# KiCad board travis_erg2026-v1.kicad_pcb (continued)
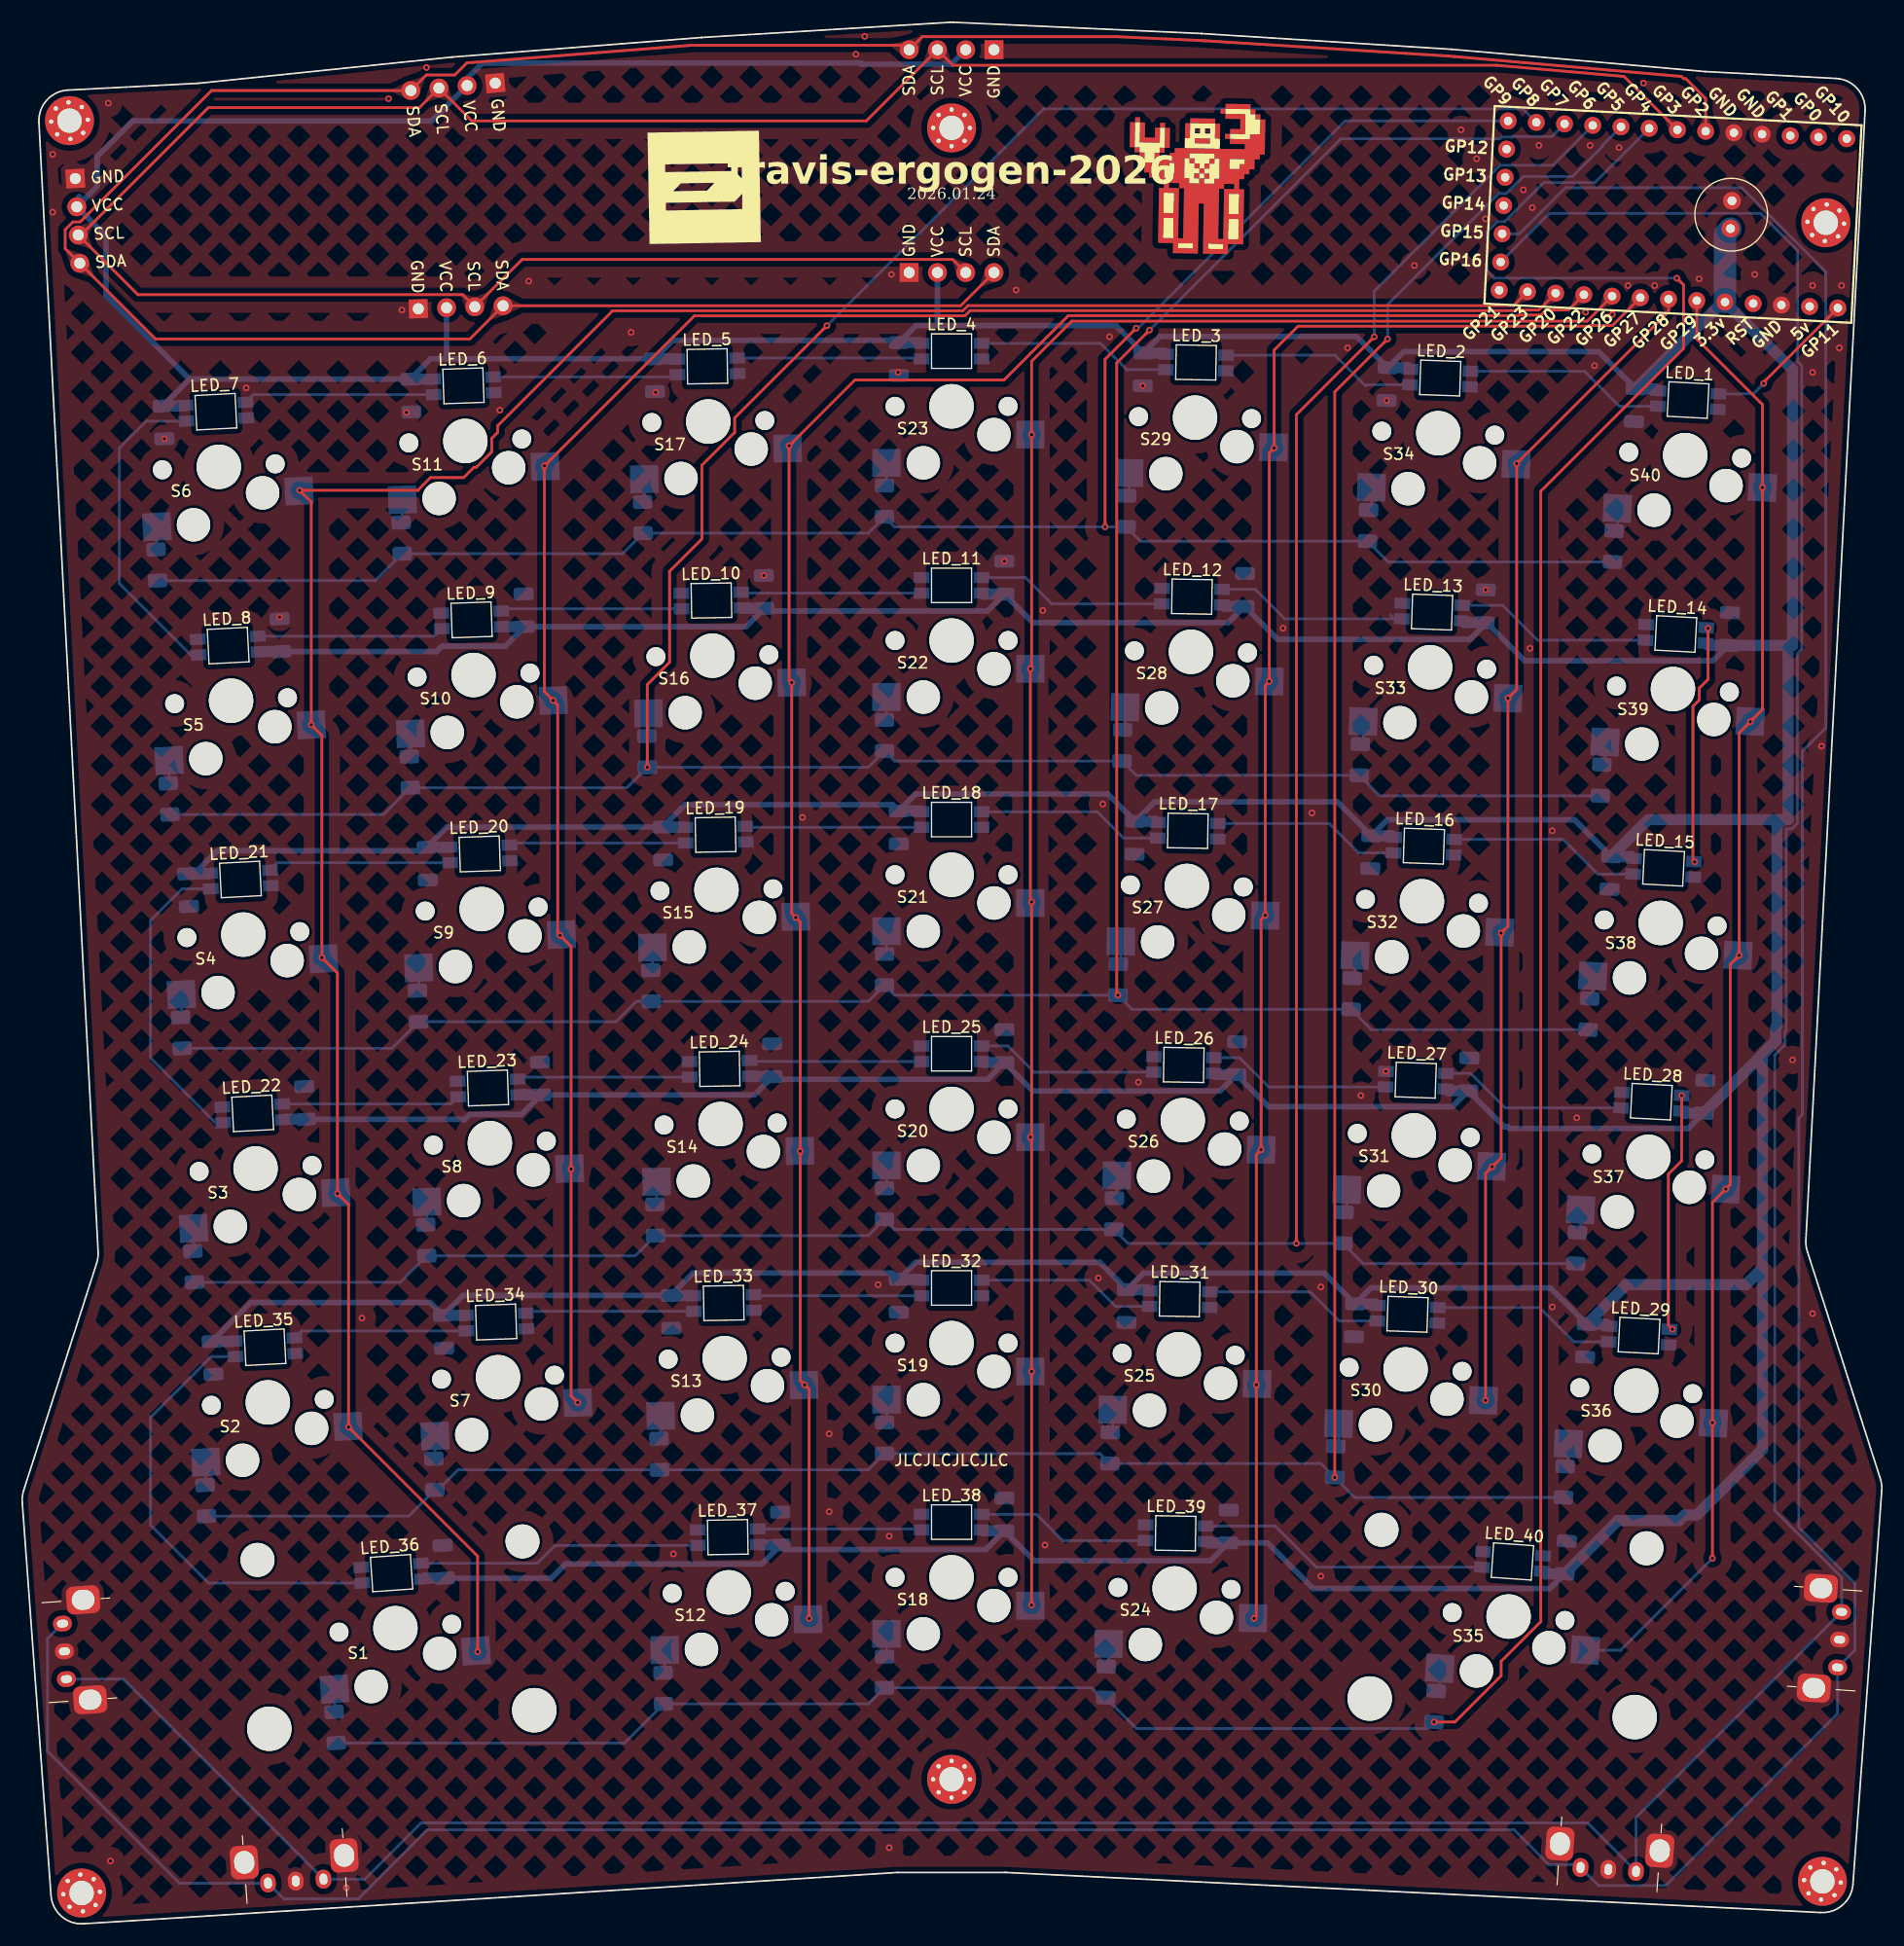
[diagram p0: board, top side]
## Placement (name value [footprint] x y rotation side) (continued)
S39  Kailh MX Switch Sockets  [MX]  148.38 110.98 177 top
S40  Kailh MX Switch Sockets  [MX]  149.48 132 177 top
STAB2u1  -  [Stabilizer_MX_2.00u]  33.54 26.56 4 top
STAB2u2  -  [Stabilizer_MX_2.00u]  133.61 27.61 356 top

## Footprints (pads in the part's own frame, mm; a bottom-side part is the same pattern mirrored in y, then rotated)
Alps-EC10E1220501
  rrect 2.5x3 hole 1.8x2.05: 4(-4.5,2) 4(4.5,2)
  oval 1.4x1.7 hole 0.7x1: A(-2.5,0) B(0,0) C(2.5,0)
C_1206_3216Metric
  rrect 1.15x1.8 smd: 1(-1.475,0) 2(1.475,0)
C_Radial_D6.3mm_H11.0mm_P2.50mm
  round 1.6 hole 0.8: 1(0,0) 2(2.5,0)
D_1206_3216Metric
  rrect 1.25x1.75 smd: 1(-1.4,0) 2(1.4,0)
I2C_Breakout
  rect 1.7x1.7 hole 1: 1(0,0)
  oval 1.7x1.7 hole 1: 2(0,-2.54) 3(0,-5.08) 4(0,-7.62)
led_SK6812mini-e (per-key, single-side)
  rect 1.4x1 smd: 1(2.7,0.7) 2(2.7,-0.7) 3(-2.7,-0.7) 4(-2.7,0.7)
MountingHole_2.2mm_M2_Pad_Via
  round 0.7 hole 0.4: 1(-1.65,0) 1(-1.167,1.167) 1(-1.167,-1.167) 1(0,1.65) 1(0,-1.65) 1(1.167,1.167) 1(1.167,-1.167) 1(1.65,0)
  round 4.4 hole 2.2: 1(0,0)
MountingHole_2.2mm_M2_Pad_Via#2
  round 0.7 hole 0.4: 4(-1.65,0) 4(-1.167,1.167) 4(-1.167,-1.167) 4(0,1.65) 4(0,-1.65) 4(1.167,1.167) 4(1.167,-1.167) 4(1.65,0)
  round 4.4 hole 2.2: 4(0,0)
MountingHole_2.2mm_M2_Pad_Via#3
  round 0.7 hole 0.4: 5(-1.65,0) 5(-1.167,1.167) 5(-1.167,-1.167) 5(0,1.65) 5(0,-1.65) 5(1.167,1.167) 5(1.167,-1.167) 5(1.65,0)
  round 4.4 hole 2.2: 5(0,0)
MountingHole_2.2mm_M2_Pad_Via#4
  round 0.7 hole 0.4: 3(-1.65,0) 3(-1.167,1.167) 3(-1.167,-1.167) 3(0,1.65) 3(0,-1.65) 3(1.167,1.167) 3(1.167,-1.167) 3(1.65,0)
  round 4.4 hole 2.2: 3(0,0)
MountingHole_2.2mm_M2_Pad_Via#5
  round 0.7 hole 0.4: 6(-1.65,0) 6(-1.167,1.167) 6(-1.167,-1.167) 6(0,1.65) 6(0,-1.65) 6(1.167,1.167) 6(1.167,-1.167) 6(1.65,0)
  round 4.4 hole 2.2: 6(0,0)
MountingHole_2.2mm_M2_Pad_Via#6
  round 0.7 hole 0.4: 2(-1.65,0) 2(-1.167,1.167) 2(-1.167,-1.167) 2(0,1.65) 2(0,-1.65) 2(1.167,1.167) 2(1.167,-1.167) 2(1.65,0)
  round 4.4 hole 2.2: 2(0,0)
MX
  round 1.702 hole 1.702 unplated: (-5.08,0) (5.08,0)
  round 3 hole 3 unplated: (-3.81,2.54) (2.54,5.08)
  round 3.988 hole 3.988 unplated: (0,0)
  rect 2.55x2.5 smd far side: 1(-7.085,2.54) 2(5.842,5.08)
RP2040_Pro_Micro
  round 1.524 hole 0.762: 1(-7.62,16.51) 2(-7.62,13.97) 3(-7.62,11.43) 4(-7.62,8.89) 5(-7.62,6.35) 6(-7.62,3.81) 7(-7.62,1.27) 8(-7.62,-1.27) 9(-7.62,-3.81) 10(-7.62,-6.35) 11(-7.62,-8.89) 12(-7.62,-11.43) 13(-7.62,-13.97) 14(-5.08,-13.97) 15(-2.54,-13.97) 16(0,-13.97) 17(2.54,-13.97) 18(5.08,-13.97) 19(7.62,-13.97) 20(7.62,-11.43) 21(7.62,-8.89) 22(7.62,-6.35) 23(7.62,-3.81) 24(7.62,-1.27) 25(7.62,1.27) 26(7.62,3.81) 27(7.62,6.35) 28(7.62,8.89) 29(7.62,11.43) 30(7.62,13.97) 31(7.62,16.51)
Stabilizer_MX_2.00u
  round 3.048 hole 3.048 unplated: (-11.938,6.985) (11.938,6.985)
  round 3.988 hole 3.988 unplated: (-11.938,-8.225) (11.938,-8.225)

## Nets
GND: C1.2 C2.2 C3.2 C4.2 C5.2 C6.2 C7.2 C8.2 C9.2 C10.2 C11.2 C12.2 C13.2 C14.2 C15.2 C16.2 C17.2 C18.2 C19.2 C20.2 C21.2 C22.2 C23.2 C24.2 C25.2 C26.2 C27.2 C28.2 C29.2 C30.2 C31.2 C32.2 C33.2 C34.2 C35.2 C36.2 C37.2 C38.2 C39.2 C40.2 C41.2 LED1.3 LED2.3 LED3.3 LED4.3 LED5.3 LED6.3 LED7.3 LED8.3 LED9.3 LED10.3 LED11.3 LED12.3 LED13.3 LED14.3 LED15.3 LED16.3 LED17.3 LED18.3 LED19.3 LED20.3 LED21.3 LED22.3 LED23.3 LED24.3 LED25.3 LED26.3 LED27.3 LED28.3 LED29.3 LED30.3 LED31.3 LED32.3 LED33.3 LED34.3 LED35.3 LED36.3 LED37.3 LED38.3 LED39.3 LED40.3 MCU1.4 MCU1.5 MCU1.29 OLED1.1 OLED2.1 OLED3.1 OLED4.1 OLED5.1 ROT1.4 ROT1.B ROT2.4 ROT2.B ROT3.4 ROT3.B ROT4.4 ROT4.B
VCC: C1.1 C2.1 C3.1 C4.1 C5.1 C6.1 C7.1 C8.1 C9.1 C10.1 C11.1 C12.1 C13.1 C14.1 C15.1 C16.1 C17.1 C18.1 C19.1 C20.1 C21.1 C22.1 C23.1 C24.1 C25.1 C26.1 C27.1 C28.1 C29.1 C30.1 C31.1 C32.1 C33.1 C34.1 C35.1 C36.1 C37.1 C38.1 C39.1 C40.1 C41.1 LED1.1 LED2.1 LED3.1 LED4.1 LED5.1 LED6.1 LED7.1 LED8.1 LED9.1 LED10.1 LED11.1 LED12.1 LED13.1 LED14.1 LED15.1 LED16.1 LED17.1 LED18.1 LED19.1 LED20.1 LED21.1 LED22.1 LED23.1 LED24.1 LED25.1 LED26.1 LED27.1 LED28.1 LED29.1 LED30.1 LED31.1 LED32.1 LED33.1 LED34.1 LED35.1 LED36.1 LED37.1 LED38.1 LED39.1 LED40.1 MCU1.27 OLED1.2 OLED2.2 OLED3.2 OLED4.2 OLED5.2
col0: MCU1.20 S1.1 S2.1 S3.1 S4.1 S5.1 S6.1
col1: MCU1.21 S7.1 S8.1 S9.1 S10.1 S11.1
col2: MCU1.22 S12.1 S13.1 S14.1 S15.1 S16.1 S17.1
col3: MCU1.23 S18.1 S19.1 S20.1 S21.1 S22.1 S23.1
col4: MCU1.24 S24.1 S25.1 S26.1 S27.1 S28.1 S29.1
col5: MCU1.25 S30.1 S31.1 S32.1 S33.1 S34.1
col6: MCU1.26 S35.1 S36.1 S37.1 S38.1 S39.1 S40.1
D2: MCU1.3
D3: MCU1.2
encA: MCU1.17 ROT1.A ROT2.A ROT3.A ROT4.A
encC: MCU1.18 ROT1.C ROT2.C ROT3.C ROT4.C
GP10: MCU1.1
GP12: MCU1.14
GP13: MCU1.15
GP14: MCU1.16
LED_1: LED21.4 MCU1.31
LED_2: LED18.4 LED21.2
LED_3: LED15.4 LED18.2
LED_4: LED12.4 LED15.2
LED_5: LED9.4 LED12.2
LED_6: LED6.4 LED9.2
LED_7: LED3.4 LED6.2
LED_8: LED3.2 LED24.4
LED_9: LED24.2 LED26.4
LED_10: LED26.2 LED29.4
LED_11: LED29.2 LED32.4
LED_12: LED32.2 LED35.4
LED_13: LED35.2 LED37.4
LED_14: LED37.2 LED40.4
LED_15: LED20.4 LED40.2
LED_16: LED17.4 LED20.2
LED_17: LED14.4 LED17.2
LED_18: LED11.4 LED14.2
LED_19: LED8.4 LED11.2
LED_20: LED5.4 LED8.2
LED_21: LED2.4 LED5.2
LED_22: LED2.2 LED23.4
LED_23: LED23.2 LED25.4
LED_24: LED25.2 LED28.4
LED_25: LED28.2 LED31.4
LED_26: LED31.2 LED34.4
LED_27: LED34.2 LED36.4
LED_28: LED36.2 LED39.4
LED_29: LED19.4 LED39.2
LED_30: LED16.4 LED19.2
LED_31: LED13.4 LED16.2
LED_32: LED10.4 LED13.2
LED_33: LED7.4 LED10.2
LED_34: LED4.4 LED7.2
LED_35: LED1.4 LED4.2
LED_36: LED1.2 LED22.4
LED_37: LED22.2 LED27.4
LED_38: LED27.2 LED30.4
LED_39: LED30.2 LED33.4
LED_40: LED33.2 LED38.4
matrix_col0_row0: D1.2 S1.2
matrix_col0_row1: D2.2 S2.2
matrix_col0_row2: D3.2 S3.2
matrix_col0_row3: D4.2 S4.2
matrix_col0_row4: D5.2 S5.2
matrix_col0_row5: D6.2 S6.2
matrix_col1_row1: D7.2 S7.2
matrix_col1_row2: D8.2 S8.2
matrix_col1_row3: D9.2 S9.2
matrix_col1_row4: D10.2 S10.2
matrix_col1_row5: D11.2 S11.2
matrix_col2_row0: D12.2 S12.2
matrix_col2_row1: D13.2 S13.2
matrix_col2_row2: D14.2 S14.2
matrix_col2_row3: D15.2 S15.2
matrix_col2_row4: D16.2 S16.2
matrix_col2_row5: D17.2 S17.2
matrix_col3_row0: D18.2 S18.2
matrix_col3_row1: D19.2 S19.2
matrix_col3_row2: D20.2 S20.2
matrix_col3_row3: D21.2 S21.2
matrix_col3_row4: D22.2 S22.2
matrix_col3_row5: D23.2 S23.2
matrix_col4_row0: D24.2 S24.2
matrix_col4_row1: D25.2 S25.2
matrix_col4_row2: D26.2 S26.2
matrix_col4_row3: D27.2 S27.2
matrix_col4_row4: D28.2 S28.2
matrix_col4_row5: D29.2 S29.2
matrix_col5_row1: D30.2 S30.2
matrix_col5_row2: D31.2 S31.2
matrix_col5_row3: D32.2 S32.2
matrix_col5_row4: D33.2 S33.2
matrix_col5_row5: D34.2 S34.2
matrix_col6_row0: D35.2 S35.2
matrix_col6_row1: D36.2 S36.2
matrix_col6_row2: D37.2 S37.2
matrix_col6_row3: D38.2 S38.2
matrix_col6_row4: D39.2 S39.2
matrix_col6_row5: D40.2 S40.2
RAW: MCU1.30
row0: D1.1 D12.1 D18.1 D24.1 D35.1 MCU1.8
row1: D2.1 D7.1 D13.1 D19.1 D25.1 D30.1 D36.1 MCU1.9
row2: D3.1 D8.1 D14.1 D20.1 D26.1 D31.1 D37.1 MCU1.10
row3: D4.1 D9.1 D15.1 D21.1 D27.1 D32.1 D38.1 MCU1.11
row4: D5.1 D10.1 D16.1 D22.1 D28.1 D33.1 D39.1 MCU1.12
row5: D6.1 D11.1 D17.1 D23.1 D29.1 D34.1 D40.1 MCU1.13
RST: MCU1.28
scl: MCU1.7 OLED1.3 OLED2.3 OLED3.3 OLED4.3 OLED5.3
sda: MCU1.6 OLED1.4 OLED2.4 OLED3.4 OLED4.4 OLED5.4

Pads without a net: HOLE1 1; HOLE2 2; HOLE3 3; HOLE4 4; HOLE5 5; HOLE6 6; LED38 2; MCU1 19

## Via types
v1: diameter 0.6, hole 0.3, Top to Bottom, 132 vias

## Routing (per net, layer and track width the routed paths; a pad name or vN(x,y) marks a point on that pad's centre or on a via; arc(x,y) is an arc through that point)
GND:
  vias: v1(2.73,159.04) v1(2.73,153.84) v1(7.73,163.64) v1(7.93,5.64) v1(12.78,133.47) v1(20.13,138.04) v1(23.13,117.44) v1(29.13,3.24) v1(30.53,54.44) v1(32.93,164.04) v1(34.13,145.04) v1(34.53,135.84) v1(36.33,166.84) v1(42.93,136.04) v1(45.53,147.64) v1(54.73,143.04) v1(56.93,137.64) v1(58.53,33.24) v1(66.66,121.18) v1(70.13,99.44) v1(72.53,44.04) v1(72.53,37.04) v1(74.93,168.04) v1(75.73,169.64) v1(76.93,57.44) v1(77.93,34.84) v1(77.93,6.84) v1(78.13,148.24) v1(78.73,139.44) v1(88.29,122.46) v1(89.33,146.84) v1(91.73,118.04) v1(91.93,34.04) v1(96.73,58.04) v1(97.13,100.64) v1(97.73,142.64) v1(100.33,75.64) v1(100.72,138.23) v1(113.33,116.44) v1(115.93,99.84) v1(116.73,57.24) v1(116.73,31.24) v1(119.13,141.64) v1(120.33,74.44) v1(122.64,136.91) v1(122.58,76.61) v1(125.13,149.04) v1(129.33,161.24) v1(130.73,158.64) v1(131.53,153.24) v1(131.55,119.89) v1(134.93,155.84) v1(135.53,114.64) v1(135.73,154.24) v1(136.33,159.84) v1(137.53,98.24) v1(137.53,55.44) v1(139.73,72.44) v1(140.53,144.84) v1(140.93,159.84) v1(141.33,140.04) v1(142.93,144.64) v1(143.53,159.64) v1(144.33,147.24) v1(145.73,165.44) v1(146.73,147.24) v1(150.73,147.84) v1(155.73,148.24) v1(159.13,77.64) v1(160.93,147.24) v1(160.93,139.44) v1(160.93,54.84) v1(161.73,105.84) v1(163.33,141.64) v1(163.53,147.24)
VCC: length 1183.6
  Bottom w0.5: 38.13,140.66 C10.1 58.48,142.32 78.58,142.32 C13.1 80.32,143.65 82.33,143.65 ; 38.13,140.66 36.72,140.66 C7.1 15.04,138.83 ; 38.13,140.66 38.14,140.67 OLED2.2 ; C23.1 47.55,31.06 48.83,32.34 66.48,32.34 C28.1 68.59,33.63 86.61,33.63 C31.1 90.97,32.63 106.81,32.63 C34.1 111.94,34.23 116.05,30.12 137.31,30.12 C39.1 ; C40.1 149.76,71.48 133.69,71.48 133.53,71.64 133.21,71.64 C37.1 128.55,73.45 112.02,73.45 C35.1 107.67,74.85 90.84,74.85 C32.1 86.77,75.9 67.69,75.9 C29.1 65.81,74.5 C26.1 44.88,72.75 40.24,72.75 39.73,72.24 39.67,72.3 C24.1 ; OLED4.2 82.27,143.72 82.33,143.65 ; 82.33,143.65 98.3,143.65 C16.1 102.26,142.67 119.93,142.67 C19.1 124.18,141.3 141.7,141.3 C22.1 ; OLED1.2 6.73,156.15 6.73,158.84 9.93,162.04 36.81,162.04 OLED3.2 39.99,165.86 41.37,167.24 75.33,167.24 ; OLED1.2 7.53,151.69 7.53,146.33 15.04,138.83 ; OLED1.2 4.25,154.32 5.13,155.21 5.13,155.24 ; C20.1 137.35,57.15 121.25,57.15 C17.1 117.03,58.48 100.79,58.48 C14.1 96.85,59.45 80.32,59.45 C11.1 78.21,58.49 60.3,58.49 C8.1 39.62,56.48 C5.1 36.66,55.84 20.53,55.84 17.03,52.34 ; 15.04,138.83 C4.1 ; 14.87,94.37 15.47,94.37 17.53,96.44 36.04,96.44 C6.1 38.17,98.57 C9.1 59.57,100.59 78.21,100.59 C12.1 80.32,101.55 97.57,101.55 C15.1 101.79,100.84 118.22,100.84 C18.1 122.71,99.23 139.53,99.23 C21.1 ; 75.33,167.24 75.44,167.24 ; 75.33,167.24 75.44,167.14 83.5,167.14 OLED5.2 ; C41.1 151.97,113.52 135.05,113.52 131.63,116.94 130.13,115.44 112.85,115.44 C36.1 108.41,116.95 90.85,116.95 C33.1 86.77,118 66.95,118 C30.1 65.06,116.57 C27.1 43.42,114.83 38.73,114.83 38.36,114.82 38.35,114.83 37.73,114.83 37.24,114.35 C25.1
  Bottom w1: 158.73,99.24 158.73,114.9 ; 158.73,99.24 146.15,99.24 C21.1 144.61,95.92 144.78,95.75 ; 158.73,99.24 158.23,99.24 157.73,98.74 157.73,80.64 157.63,80.54 157.63,79.34 ; 149.2,73.04 149.38,72.85 C40.1 157.63,79.34 ; C4.1 14.54,136.42 14.57,136.45 ; 106.46,34.35 106.58,34.23 C34.1 ; 36.83,138.83 36.83,138.83 C7.1 ; C35.1 107.31,76.32 107.19,76.44 ; 14.87,94.37 C3.1 16.74,94.37 16.78,94.41 ; 129.5,117.1 129.65,116.94 C38.1 131.63,116.94 ; 38.3,96.76 38.3,96.76 C6.1 ; 146.98,137.8 146.81,137.96 C22.1 152.83,145.76 MCU1.27 159.13,139.68 159.13,114.9 C41.1 151.59,114.9 151.4,115.08 ; 66.23,34.1 66.28,34.04 C28.1 ; C11.1 80.67,57.91 80.73,57.85 ; 102.72,141.08 102.62,141.18 C16.1 ; 39.77,54.68 39.77,54.68 C5.1 ; 60.24,56.44 60.21,56.48 C8.1 ; 101.25,56.89 101.15,56.99 C14.1 ; C23.1 36.09,31.06 36.04,31.01 ; C32.1 86.42,77.41 86.34,77.5 ; C15.1 101.89,99.08 101.99,98.99 ; C37.1 128.19,74.87 128.03,75.02 ; C33.1 86.42,119.51 86.34,119.6 ; C12.1 80.67,100.01 80.73,99.95 ; C13.1 80.67,142.11 80.73,142.05 ; 64.76,118.28 64.81,118.23 C30.1 ; C27.1 43.23,116.57 43.22,116.59 ; 23.55,72.29 23.56,72.3 C24.1 ; 136.7,31.67 136.92,31.45 C39.1 143.43,36.24 148.93,36.24 149.43,36.74 150.53,36.74 156.43,42.64 156.43,58.94 ; 123.22,97.65 123.08,97.79 C18.1 ; 156.43,58.94 154.93,57.44 144.13,57.44 144.13,57.38 C20.1 142.41,53.88 142.57,53.71 ; 156.43,58.94 156.43,64.54 156.43,64.54 156.43,78.14 157.63,79.34 ; C9.1 59.47,98.57 59.5,98.54 ; 65.5,76.19 65.55,76.14 C29.1 ; 21.34,114.33 21.36,114.35 C25.1 ; C31.1 86.42,35.31 86.34,35.4 ; 124.69,139.73 124.55,139.86 C19.1 ; 58.77,140.63 58.74,140.66 C10.1 ; C17.1 121.61,55.71 121.75,55.58 ; 18.98,52.37 18.94,52.33 C2.1 17.03,52.34 ; C36.1 108.05,118.42 107.93,118.53 ; C26.1 44.7,74.5 44.68,74.52
  Bottom w2: C1.1 153.06,151.87 MCU1.27
col0: length 230.6
  Top w0.25: MCU1.20 134.05,145.44 85.01,145.44 84.54,144.97 53.07,144.97 42.73,134.64 42.73,134.04 42.2,133.51 42.2,132.29 40.81,130.9 40.6,130.9 39.68,129.98 36.69,129.98 35.59,128.89 35.59,128.84 v1(24.93,128.84) 25.98,127.79 v1(25.98,107.76) 26.93,106.81 v1(26.93,86.84) 28.33,85.44 v1(28.33,65.64) 29.33,64.64 v1(29.33,44.64) 40.93,33.04 v1(40.93,24.44)
  Bottom w0.25: S4.1 27.03,86.74 v1(26.93,86.84) ; v1(24.93,128.84) 24.88,128.78 S6.1 ; S1.1 40.85,24.53 v1(40.93,24.44) ; v1(29.33,44.64) 29.28,44.69 S2.1 ; v1(28.33,65.64) 28.25,65.72 S3.1
col1: length 183.2
  Top w0.25: MCU1.21 136.32,145.04 134.29,145.04 134.24,144.99 85.2,144.99 84.73,144.52 60.42,144.52 v1(46.93,131.04) 46.93,110.75 v1(47.73,109.95) 48.13,109.55 48.13,89.04 v1(48.33,88.84) 49.33,87.84 v1(49.33,67.84) 49.33,47.44 v1(49.93,46.84)
  Bottom w0.25: v1(49.33,67.84) 49.3,67.87 S8.1 ; v1(46.93,131.04) 46.99,130.98 S11.1 ; S7.1 v1(49.93,46.84) ; v1(48.33,88.84) 48.4,88.91 S9.1
col2: length 183.8
  Top w0.25: MCU1.22 138.99,145.04 136.96,145.04 136.51,144.59 134.48,144.59 134.43,144.54 94.03,144.54 88.25,138.76 74.85,138.76 v1(68.93,132.84) 68.93,111.79 v1(69.16,111.56) 69.16,90.81 v1(69.53,90.44) 69.93,90.04 v1(69.93,69.44) 69.93,48.84 v1(70.33,48.44) 70.73,48.04 v1(70.73,27.44)
  Bottom w0.25: v1(68.93,132.84) 68.8,132.7 S17.1 ; S12.1 70.66,27.37 v1(70.73,27.44) ; v1(70.33,48.44) 70.31,48.42 S13.1 ; S15.1 v1(69.53,90.44) ; S14.1 69.91,69.46 v1(69.93,69.44)
col3: length 166.9
  Top w0.25: v1(90.73,28.64) v1(90.73,49.64) 90.73,70.58 v1(90.62,70.7) ; MCU1.23 140.66,144.04 94.33,144.04 90.73,140.44 v1(90.73,133.84) 90.73,112.91 v1(90.62,112.8) 90.62,91.95 v1(90.73,91.84) 90.73,70.84
  Bottom w0.25: v1(90.73,91.84) 90.64,91.75 S21.1 ; S23.1 90.73,133.85 v1(90.73,133.84) ; v1(90.73,28.64) 90.69,28.6 S18.1 ; S19.1 90.73,49.65 v1(90.73,49.64)
col4: length 150
  Top w0.25: MCU1.24 142.93,143.64 140.9,143.64 140.85,143.59 114.68,143.59 112.53,141.44 v1(112.53,132.64) 112.09,132.2 v1(112.09,111.66) 111.73,111.3 v1(111.73,90.64) 111.36,90.27 v1(111.36,69.57) 110.93,69.14 v1(110.93,48.44) 110.93,27.64 v1(110.73,27.44)
  Bottom w0.25: v1(112.53,132.64) 112.47,132.71 S29.1 ; v1(110.93,48.44) 110.99,48.5 S25.1 ; S24.1 110.7,27.47 v1(110.73,27.44) ; S27.1 111.73,90.63 v1(111.73,90.64)
col5: length 106.3
  Top w0.25: MCU1.25 147.98,144.89 v1(134.33,131.24) 134.33,110.94 v1(133.55,110.15) 133.55,89.65 v1(132.93,89.04) 132.93,68.84 v1(132.13,68.04) 131.53,67.44 v1(131.53,47.04)
  Bottom w0.25: S32.1 132.86,89.11 v1(132.93,89.04) ; v1(132.13,68.04) 132.1,68.08 S31.1 ; v1(131.53,47.04) 131.53,47.04 S30.1 ; S34.1 v1(134.33,131.24)
col6: length 132.5
  Top w0.25: v1(151.93,32.84) v1(151.93,45.04) 151.93,64.84 v1(153.13,66.04) 153.53,66.44 153.53,86.24 v1(154.33,87.04) 154.33,107.04 v1(155.33,108.04) 156.42,109.13 v1(156.42,129.09) 156.42,136.55 150.52,142.45 MCU1.26
  Bottom w0.25: v1(151.93,45.04) 151.97,45 S36.1 ; v1(154.33,87.04) 154.33,87.05 S38.1 ; v1(155.33,108.04) 155.32,108.05 S39.1 ; S35.1 143.68,24.58 v1(151.93,32.84) ; S37.1 v1(153.13,66.04)
encA: length 356.8
  Bottom w0.25: ROT1.A 2.27,25.63 2.27,15.51 14.13,3.64 22.07,3.64 ROT2.A 23.51,2.24 30.2,2.24 36.4,8.44 134.11,8.44 137.22,5.32 139.81,5.32 ROT3.A 141.69,3.44 147.73,3.44 163.18,18.89 ROT4.A 164.74,24.59 164.74,30.57 159.69,35.62 159.69,72.4 160.01,72.72 160.01,105.37 162.12,107.48 162.12,148.5 154.57,156.04 138.73,156.04 134.59,151.89 MCU1.17
encC: length 339.6
  Bottom w0.25: MCU1.18 137.27,153.73 156.24,153.73 159.58,150.39 159.58,140.4 159.96,140.02 159.96,114.55 159.56,114.15 159.56,98.9 159.07,98.41 158.57,98.41 158.56,98.4 158.56,80.3 158.45,80.19 158.45,79 157.53,78.08 157.53,37.13 163.55,31.12 163.55,28.04 ROT4.C 145.06,9.55 ROT3.C 140.71,9.06 35.85,9.06 30.8,4.01 ROT2.C 9.1,21.99 ROT1.C
LED_1: length 14
  Top w0.25: v1(156.53,138.44) 156.53,138.56 MCU1.31
  Bottom w0.25: v1(156.53,138.44) 155.6,137.51 LED21.4
LED_2: length 18.1
  Bottom w0.25: LED21.2 143.58,136.39 140.44,139.54 LED18.4
LED_3: length 17.7
  Bottom w0.25: LED15.4 117.99,140.98 120.73,138.24 120.82,138.32 LED18.2
LED_4: length 17.6
  Bottom w0.25: LED12.4 96.93,142.05 99.33,139.64 99.37,139.68 LED15.2
LED_5: length 16.6
  Bottom w0.25: LED9.4 80.75,140.73 LED12.2
LED_6: length 16.7
  Bottom w0.25: LED6.4 58.69,139.02 LED9.2
LED_7: length 17.2
  Bottom w0.25: LED6.2 20.76,137.44 LED3.4
LED_8: length 29
  Bottom w0.25: LED24.4 15.15,114.04 8.73,120.46 8.73,132.64 11.15,135.06 LED3.2
LED_9: length 16.8
  Bottom w0.25: LED26.4 37.04,115.72 LED24.2
LED_10: length 16.3
  Bottom w0.25: LED29.4 43.26,118.19 LED26.2
LED_11: length 16.2
  Bottom w0.25: LED32.4 64.72,119.6 LED29.2
LED_12: length 17.2
  Bottom w0.25: LED32.2 90.09,121 90.13,121.04 92.54,118.63 LED35.4
LED_13: length 17.7
  Bottom w0.25: 123.01,117.61 123.33,117.29 ; LED35.2 110.84,119.94 113.49,117.29 LED37.4
LED_14: length 17.8
  Bottom w0.25: LED40.4 136.2,115.37 133.07,118.5 LED37.2
LED_15: length 21.9
  Top w0.25: v1(150.33,95.44) 150.18,95.6 150.18,109.42 150.75,109.99 150.75,111.06 151.53,111.84 v1(151.53,116.44)
  Bottom w0.25: LED20.4 150.31,95.47 v1(150.33,95.44) ; LED40.2 151.49,116.49 v1(151.53,116.44)
LED_16: length 17.4
  Bottom w0.25: LED17.4 138.51,97.46 141.62,94.35 LED20.2
LED_17: length 16.9
  Bottom w0.25: LED14.4 117.48,98.89 120.12,96.25 LED17.2
LED_18: length 16.8
  Bottom w0.25: LED14.2 98.99,97.58 96.63,99.95 LED11.4
LED_19: length 15.9
  Bottom w0.25: LED8.4 65.09,98.55 LED11.2
LED_20: length 15.9
  Bottom w0.25: LED5.4 43.99,97.14 LED8.2
LED_21: length 16.5
  Bottom w0.25: LED5.2 22.93,95.36 LED2.4
LED_22: length 27.9
  Bottom w0.25: LED2.2 14.37,93.02 11.53,90.18 11.53,77.82 17.35,72 LED23.4
LED_23: length 16.1
  Bottom w0.25: LED25.4 38.54,73.68 LED23.2
LED_24: length 15.5
  Bottom w0.25: LED28.4 44.71,76.09 LED25.2
LED_25: length 15.5
  Bottom w0.25: LED28.2 65.46,77.5 LED31.4
LED_26: length 16.4
  Bottom w0.25: LED31.2 88.6,78.9 90.96,76.54 LED34.4
LED_27: length 16.5
  Bottom w0.25: LED36.4 112.04,75.21 109.41,77.84 LED34.2
LED_28: length 17
  Bottom w0.25: LED39.4 133.3,73.33 130.21,76.42 LED36.2
LED_29: length 21.9
  Top w0.25: v1(149.17,74.44) 149.17,68.57 147.97,67.38 147.97,53.8 v1(148.33,53.44)
  Bottom w0.25: v1(148.33,53.44) 148.32,53.42 LED19.4
LED_30: length 16.7
  Bottom w0.25: LED19.2 139.47,52.31 136.33,55.44 136.28,55.39 LED16.4
LED_31: length 16.1
  Bottom w0.25: LED13.4 115.78,56.8 118.4,54.18 LED16.2
LED_32: length 16.1
  Bottom w0.25: LED13.2 98.28,55.49 95.93,57.85 LED10.4
LED_33: length 15.1
  Bottom w0.25: LED10.2 65.83,56.45 LED7.4
LED_34: length 15.2
  Bottom w0.25: LED4.4 45.44,55.05 LED7.2
LED_35: length 15.7
  Bottom w0.25: LED1.4 25.11,53.29 LED4.2
LED_36: length 40.7
  Bottom w0.25: LED22.4 16.75,30.63 11.53,35.84 11.53,45.51 17,50.98 LED1.2
LED_37: length 25.6
  Bottom w0.25: LED27.4 47.89,34 46.29,32.4 LED22.2
LED_38: length 14.8
  Bottom w0.25: LED30.4 80.74,35.49 LED27.2
LED_39: length 15.7
  Bottom w0.25: LED33.4 93.54,34.44 93.53,34.44 91.18,36.8 LED30.2
LED_40: length 26.4
  Bottom w0.25: LED33.2 112.62,35.75 116.33,32.04 116.34,32.05 LED38.4
matrix_col0_row0: length 2.1
  Bottom w0.25: D1.2 28.07,19.08 S1.2
matrix_col0_row1: length 2.1
  Bottom w0.25: D2.2 16.51,39.51 S2.2
matrix_col0_row2: length 2.1
  Bottom w0.25: D3.2 15.41,60.53 S3.2
matrix_col0_row3: length 2.1
  Bottom w0.25: S4.2 14.3,81.55 D4.2
matrix_col0_row4: length 2.1
  Bottom w0.25: D5.2 13.2,102.57 S5.2
matrix_col0_row5: length 2.1
  Bottom w0.25: S6.2 12.1,123.59 D6.2
matrix_col1_row1: length 2.1
  Bottom w0.25: S7.2 37.11,41.91 D7.2
matrix_col1_row2: length 2.1
  Bottom w0.25: S8.2 36.37,62.94 D8.2
matrix_col1_row3: length 2.1
  Bottom w0.25: D9.2 35.64,83.98 S9.2
matrix_col1_row4: length 2.1
  Bottom w0.25: S10.2 34.9,105.02 D10.2
matrix_col1_row5: length 2.1
  Bottom w0.25: S11.2 34.17,126.05 D11.2
matrix_col2_row0: length 2.1
  Bottom w0.25: S12.2 57.75,22.71 D12.2
matrix_col2_row1: length 2.1
  Bottom w0.25: D13.2 57.39,43.75 S13.2
matrix_col2_row2: length 2.1
  Bottom w0.25: D14.2 57.02,64.8 S14.2
matrix_col2_row3: length 2.1
  Bottom w0.25: D15.2 56.65,85.85 S15.2
matrix_col2_row4: length 2.1
  Bottom w0.25: D16.2 56.28,106.89 S16.2
matrix_col2_row5: length 2.1
  Bottom w0.25: D17.2 55.92,127.94 S17.2
matrix_col3_row0: length 2.1
  Bottom w0.25: S18.2 77.69,24.19 D18.2
matrix_col3_row1: length 2.1
  Bottom w0.25: S19.2 77.69,45.24 D19.2
matrix_col3_row2: length 2.1
  Bottom w0.25: D20.2 77.69,66.29 S20.2
matrix_col3_row3: length 2.1
  Bottom w0.25: D21.2 77.69,87.34 S21.2
matrix_col3_row4: length 2.1
  Bottom w0.25: D22.2 77.69,108.39 S22.2
matrix_col3_row5: length 2.1
  Bottom w0.25: D23.2 77.69,129.44 S23.2
matrix_col4_row0: length 2.1
  Bottom w0.25: D24.2 97.66,23.34 S24.2
matrix_col4_row1: length 2.1
  Bottom w0.25: S25.2 98.02,44.38 D25.2
matrix_col4_row2: length 2.1
  Bottom w0.25: D26.2 98.39,65.43 S26.2
matrix_col4_row3: length 2.1
  Bottom w0.25: S27.2 98.76,86.48 D27.2
matrix_col4_row4: length 2.1
  Bottom w0.25: S28.2 99.13,107.52 D28.2
matrix_col4_row5: length 2.1
  Bottom w0.25: D29.2 99.49,128.57 S29.2
matrix_col5_row1: length 2.1
  Bottom w0.25: D30.2 118.33,43.17 S30.2
matrix_col5_row2: length 2.1
  Bottom w0.25: D31.2 119.07,64.21 S31.2
matrix_col5_row3: length 2.1
  Bottom w0.25: S32.2 119.8,85.24 D32.2
matrix_col5_row4: length 2.1
  Bottom w0.25: D33.2 120.54,106.28 S33.2
matrix_col5_row5: length 2.1
  Bottom w0.25: D34.2 121.27,127.32 S34.2
matrix_col6_row0: length 2.2
  Bottom w0.25: S35.2 127.42,21.25 D35.2
matrix_col6_row1: length 2.2
  Bottom w0.25: S36.2 138.98,41.4 D36.2
matrix_col6_row2: length 2.2
  Bottom w0.25: S37.2 140.08,62.42 D37.2
matrix_col6_row3: length 2.2
  Bottom w0.25: D38.2 141.18,83.44 S38.2
matrix_col6_row4: length 2.2
  Bottom w0.25: S39.2 142.28,104.47 D39.2
matrix_col6_row5: length 2.2
  Bottom w0.25: D40.2 143.38,125.49 S40.2
row0: length 282.2
  Top w0.25: v1(126.9,18.13) 128.78,18.13 132.93,22.28 132.93,23.59 136.5,27.15 136.5,128.76 149.33,141.59 149.33,147.31 v1(148.73,147.91)
  Bottom w0.25: MCU1.8 141.36,156.49 136.76,156.49 133.25,152.98 132.58,152.98 131.68,152.08 131.68,148.55 132.31,147.91 v1(148.73,147.91) ; D1.1 54.14,16.24 D12.1 76.06,19.76 D18.1 96.12,21.21 97.01,20.32 D24.1 100.16,17.55 126.32,17.55 v1(126.9,18.13)
row1: length 261
  Top w0.25: v1(117.98,40.12) 117.98,137.69 v1(122.73,142.44)
  Bottom w0.25: D2.1 34.73,36.64 D7.1 37.38,39 39.19,40.81 D13.1 76.05,40.81 D19.1 96.86,42.26 D25.1 116.73,41.37 v1(117.98,40.12) 119.78,38.32 D36.1 ; v1(122.73,142.44) 122.73,145.54 132.71,155.52 133.41,155.52 134.93,157.04 139.33,157.04 142.05,159.76 142.05,159.85 MCU1.9
row2: length 242.5
  Top w0.25: v1(114.53,61.15) 114.53,135.64 v1(121.53,142.64)
  Bottom w0.25: v1(121.53,142.64) 121.53,146.74 132.85,158.06 137.59,158.06 MCU1.10 ; D3.1 33.98,57.66 D8.1 55.1,60.03 D14.1 76.05,61.85 D20.1 78.41,62.41 D26.1 99.38,61.15 v1(114.53,61.15) D31.1 120.53,59.34 D37.1
row3: length 236.4
  Top w0.25: v1(101.33,143.24) 98.38,140.29 98.38,83.57 v1(98.49,83.46)
  Bottom w0.25: D38.1 121.28,80.36 D32.1 99.76,82.19 v1(98.49,83.46) 78.41,83.46 D21.1 76.05,82.9 D15.1 55.19,82.9 53.36,81.07 D9.1 33.23,78.68 D4.1 ; 132.98,160.59 132.83,160.44 118.53,160.44 v1(101.33,143.24) ; 132.98,160.59 132.98,160.59 ; 132.98,160.59 133.88,160.59 133.93,160.64 137.5,160.64 MCU1.11
row4: length 251.3
  Top w0.25: v1(56.19,103.95) 56.19,111.38 58.18,113.38 58.18,121.56 61.09,124.47 61.09,131.09 64.04,134.04 64.04,135.35 v1(72.33,143.64)
  Bottom w0.25: D5.1 32.48,99.7 D10.1 54.35,102.11 v1(56.19,103.95) 76.04,103.95 D22.1 78.42,104.51 D28.1 100.14,103.23 D33.1 122.03,101.38 D39.1 ; MCU1.12 134.88,163.13 91.82,163.13 v1(72.33,143.64)
row5: length 195.2
  Top w0.25: v1(97.33,125.55) 97.33,140.61 v1(100.13,143.41)
  Bottom w0.25: D40.1 122.78,122.4 D34.1 100.51,124.26 D29.1 v1(97.33,125.55) 78.42,125.55 D23.1 76.04,124.99 D17.1 53.97,123.14 D11.1 31.73,120.72 D6.1 ; v1(100.13,143.41) 100.13,143.24 118.93,162.04 MCU1.13
scl: length 240.4
  Top w0.25: OLED4.3 83.63,149.59 44.93,149.59 OLED2.3 39.59,146.42 10.4,146.42 OLED1.3 5.28,151.79 16.73,163.24 35.7,163.24 OLED3.3 40.41,162.04 75.87,162.04 OLED5.3 83.66,167.04 132.54,167.04 143.99,166.03 MCU1.7
sda: length 249.3
  Top w0.25: OLED4.4 84.36,145.42 OLED2.4 40.23,142.44 11.98,142.44 OLED1.4 3.86,150.56 3.86,152.27 4.55,152.96 5.21,152.96 17.02,164.77 OLED3.4 36.33,166.17 38.88,166.17 39.96,167.25 60.14,168.84 79.32,168.84 OLED5.4 80.9,169.61 98.34,169.61 105.7,169.28 105.71,169.28 106.28,169.24 106.28,169.25 128.15,167.87 128.15,167.87 128.74,167.83 128.74,167.83 149.14,166.03 149.33,165.84 149.53,165.84 151.32,164.05 MCU1.6

## Copper pours and planes (outline as drawn; the poured copper is in the pictures)
GND on Top: -6.47,176.04 183.53,176.04 183.53,-8.96 -6.47,-8.96
GND on Bottom: -11.47,181.04 178.53,181.04 178.53,-3.96 -11.47,-3.96

Small or netless copper shapes (teardrops, artwork), in the pictures only: 114 on Top, 390 on Bottom

## Text on the board
B.Silkscreen: LED_40 | LED_29 | LED_28 | LED_15 | LED_14 | LED_1 | LED_30 | LED_27 | LED_16 | LED_13 | LED_2 | LED_39 | LED_31 | LED_26 | LED_17 | LED_12 | LED_3 | S6 | S5 | S4 | S3 | S2 | S1 | S11 | S10 | S9 | S8 | S7 | S17 | S16 | S15 | S14 | S13 | S12 | S23 | S22 | S21 | S20 | S19 | S18 | https://github.com/dieseltravis/travis-ergogen-2026 | LED_4 | LED_11 | LED_18 | LED_25 | LED_32 | JLCJLCJLCJLC | LED_38 | S24 | S25 | S26 | S27 | S28 | S29 | S30 | S31 | S32 | S33 | S34 | S35 | S36 | S37 | S38 | S39 | S40 | LED_5 | LED_10 | LED_19 | LED_24 | LED_33 | LED_37 | LED_6 | LED_9 | LED_20 | LED_23 | LED_34 | LED_7 | LED_8 | LED_21 | LED_22 | LED_35 | LED_36 | made with ♥ in #ROC
F.Silkscreen: LED_40 | LED_29 | LED_28 | LED_15 | LED_14 | LED_1 | LED_30 | LED_27 | LED_16 | LED_13 | LED_2 | LED_39 | LED_31 | LED_26 | LED_17 | LED_12 | LED_3 | LED_4 | LED_11 | LED_18 | LED_25 | LED_32 | JLCJLCJLCJLC | LED_38 | LED_5 | LED_10 | LED_19 | LED_24 | LED_33 | LED_37 | LED_6 | LED_9 | LED_20 | LED_23 | LED_34 | LED_7 | LED_8 | LED_21 | LED_22 | LED_35 | LED_36 | 2026.01.24 | travis-ergogen-2026
